# KiCad board Isolated Multi-Rail Power Supply Monitor Arduino Shield Board.kicad_pcb
date: 2026-04-11
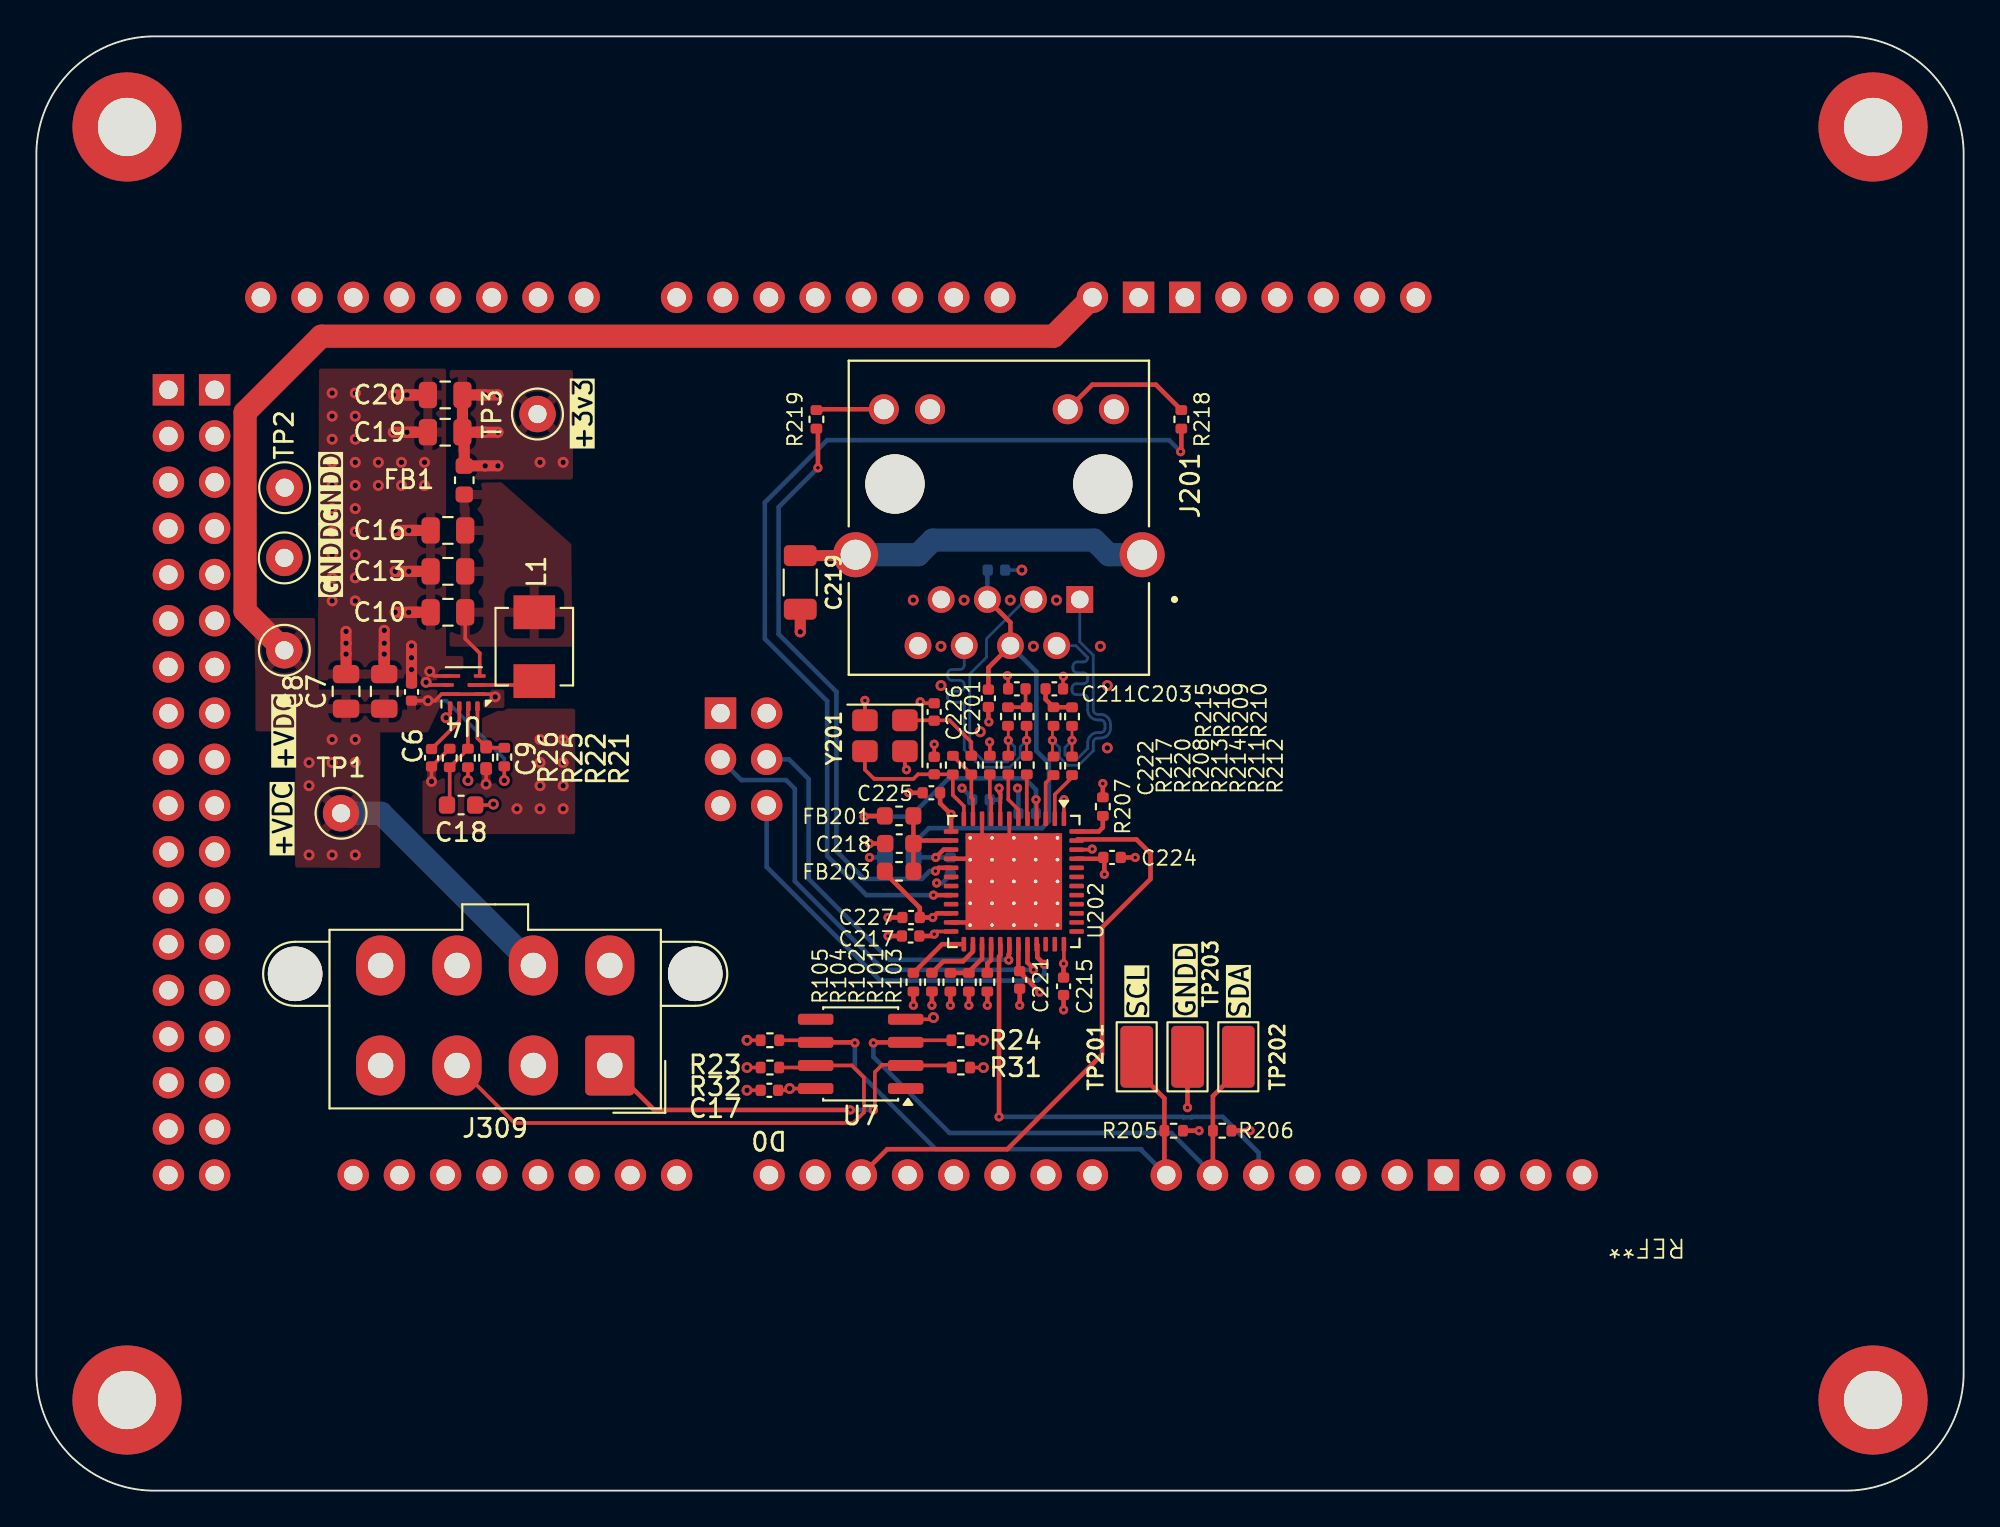
[diagram p0: board, top side]
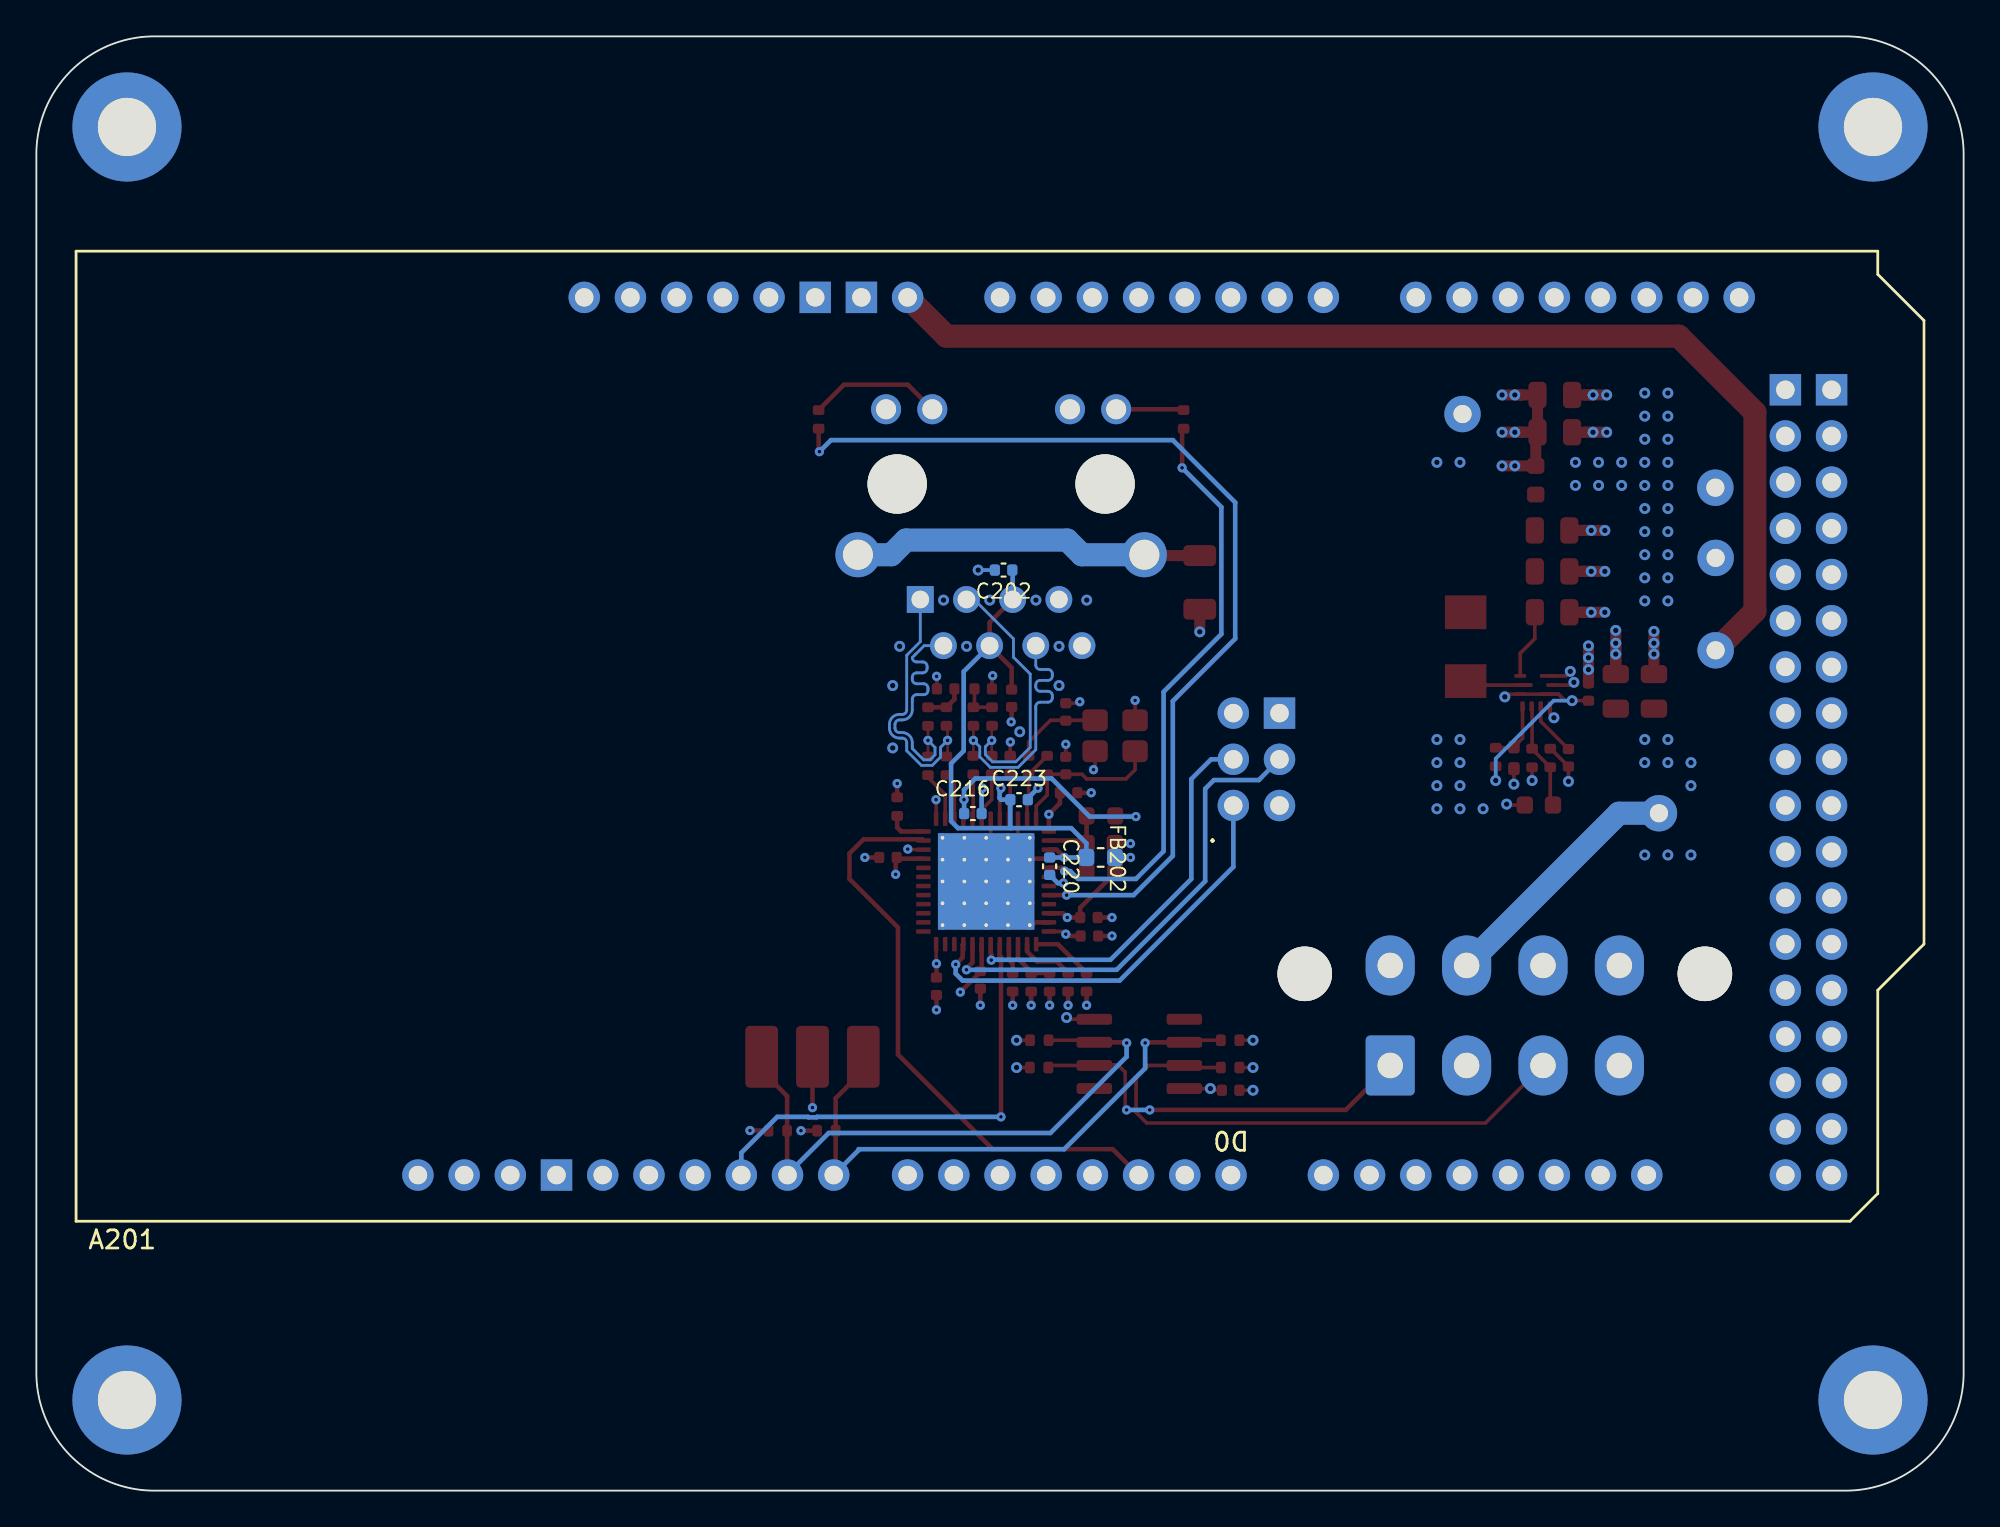
[diagram p1: board, bottom side, seen from below]

Outline 105.96 x 79.96 mm; copper layers: LY01, LY02 (plane), LY03 (plane), LY04. Coordinates in mm from the lower left corner of the outline.
Outline path: 1.9,1.9 6.48,0 99.48,0 104.06,1.9 105.96,6.48 105.96,73.46 104.06,78.07 99.48,79.96 99.48,79.96 6.48,79.96 1.9,78.07 0,73.48 0,6.48 closed
Stack: LY01 0.035mm / dielectric 0.1854mm FR4 er 4.56 / LY02 0.035mm / dielectric 1.03mm FR4 er 4.6 / LY03 0.035mm / dielectric 0.1854mm FR4 er 4.56 / LY04 0.035mm

## Placement (name value [footprint] x y rotation side)
A201  -  [Arduino_Giga_R1_WiFi_Shield]  103.78 68.15 180 top
C6  22n  [C_0402_1005Metric]  20.63 43.92 270 top  (not fitted)
C7  10u  [C_0805_2012Metric]  19.13 43.95 270 top  (not fitted)
C8  10u  [C_0805_2012Metric]  17.03 43.95 270 top  (not fitted)
C9  470n  [C_0402_1005Metric]  21.73 40.3 90 top  (not fitted)
C10  22u  [C_0805_2012Metric]  22.63 48.3 0 top  (not fitted)
C13  22u  [C_0805_2012Metric]  22.63 50.55 0 top  (not fitted)
C16  22u  [C_0805_2012Metric]  22.63 52.8 0 top  (not fitted)
C17  100n  [C_0402_1005Metric]  40.3 22.01 180 top
C18  ~  [C_0603_1608Metric]  23.35 37.7 0 top  (not fitted)
C19  22u  [C_0805_2012Metric]  22.48 58.2 0 top  (not fitted)
C20  22u  [C_0805_2012Metric]  22.48 60.25 0 top  (not fitted)
C201  100n  [C_0402_1005Metric]  52.34 43.57 270 top
C202  100n  [C_0402_1005Metric]  52.78 50.62 0 bottom
C203  100n  [C_0402_1005Metric]  55.97 44.09 0 top
C211  100n  [C_0402_1005Metric]  53.91 44.09 180 top
C215  100n  [C_0402_1005Metric]  56.48 27.73 270 top
C216  100n  [C_0402_1005Metric]  54.47 37.23 180 bottom
C217  100n  [C_0402_1005Metric]  48.07 30.5 180 top
C218  3u3  [C_0603_1608Metric]  47.45 35.58 180 top
C219  1n  [C_1206_3216Metric]  42 49.94 270 top
C220  100n  [C_0402_1005Metric]  50.25 34.34 270 bottom
C221  100n  [C_0402_1005Metric]  54.06 28.08 270 top
C222  18p  [C_0402_1005Metric]  49.36 39.87 270 top
C223  100n  [C_0402_1005Metric]  51.93 37.99 180 bottom
C224  100n  [C_0402_1005Metric]  59.14 34.82 0 top
C225  100n  [C_0402_1005Metric]  49.21 38.37 180 top
C226  18p  [C_0402_1005Metric]  49.36 42.82 270 top
C227  100n  [C_0402_1005Metric]  48.09 31.51 180 top
FB1  10n  [L_0603_1608Metric]  23.53 55.56 90 top  (not fitted)
FB201  120R  [L_0603_1608Metric]  47.43 37.1 0 top
FB202  120R  [L_0603_1608Metric]  47.45 34.82 0 bottom
FB203  120R  [L_0603_1608Metric]  47.43 34.05 180 top
J201  SI-46014-F  [BEL_SI-46014-F]  52.92 55.35 180 top
J309  0039289088  [Molex_Mini-Fit_Jr_5566-08A2_2x04_P4.20mm_Vertical]  31.53 23.38 180 top
L1  2u2  [74438356022]  27.38 46.4 90 top  (not fitted)
R21  0R  [R_0402_1005Metric]  25.73 40.34 90 top  (not fitted)
R22  ~  [R_0402_1005Metric_Pad0.72x0.64mm_HandSolder]  24.73 40.3 270 top  (not fitted)
R23  4k7  [R_0402_1005Metric]  40.33 24.76 180 top
R24  4k7  [R_0402_1005Metric]  50.82 24.76 0 top
R25  15k2  [R_0402_1005Metric]  23.73 40.29 90 top  (not fitted)
R26  4k87  [R_0402_1005Metric]  22.73 40.29 90 top  (not fitted)
R31  4k7  [R_0402_1005Metric]  50.83 23.26 0 top  (not fitted)
R32  4k7  [R_0402_1005Metric]  40.33 23.26 180 top  (not fitted)
R101  10k  [R_0402_1005Metric]  51.27 27.95 90 top
R102  10k  [R_0402_1005Metric]  50.25 27.96 270 top
R103  10k  [R_0402_1005Metric]  52.28 27.96 270 top
R104  10k  [R_0402_1005Metric]  49.24 27.96 270 top
R105  10k  [R_0402_1005Metric]  48.22 27.96 270 top
R205  4k7  [R_0402_1005Metric]  62.53 19.79 0 top
R206  4k7  [R_0402_1005Metric]  65.2 19.79 0 top
R207  4k7  [R_0402_1005Metric]  58.63 37.61 90 top
R208  12k3  [R_0402_1005Metric]  52.42 39.9 270 top
R209  49R9  [R_0402_1005Metric]  55.92 42.56 270 top
R210  49R9  [R_0402_1005Metric]  56.94 42.56 270 top
R211  3R3  [R_0402_1005Metric]  55.92 39.85 270 top
R212  3R3  [R_0402_1005Metric]  56.94 39.85 270 top
R213  3R3  [R_0402_1005Metric]  53.44 39.89 270 top
R214  3R3  [R_0402_1005Metric]  54.45 39.89 270 top
R215  49R9  [R_0402_1005Metric]  53.42 42.56 270 top
R216  49R9  [R_0402_1005Metric]  54.44 42.56 270 top
R217  1M  [R_0402_1005Metric]  50.39 39.89 90 top
R218  470R  [R_0402_1005Metric]  62.95 58.9 90 top
R219  470R  [R_0402_1005Metric]  42.89 58.9 90 top
R220  0R  [R_0402_1005Metric]  51.4 39.89 270 top
REF**  -  [GigaDisplay]  88.54 17.35 180 top  (not fitted)
TP1  TestPoint_Alt  [TestPoint_Keystone_5000-5004_Miniature]  16.75 37.25 0 top  (not fitted)
TP2  TestPoint_Alt  [TestPoint_Keystone_5000-5004_Miniature]  13.65 55.15 90 top  (not fitted)
TP3  TestPoint_Alt  [TestPoint_Keystone_5000-5004_Miniature]  27.55 59.2 90 top  (not fitted)
TP101  TestPoint_Alt  [TestPoint_Keystone_5000-5004_Miniature]  13.63 46.21 270 top
TP102  TestPoint_Alt  [TestPoint_Keystone_5000-5004_Miniature]  13.63 51.29 270 top
TP201  TestPoint_Alt  [TestPoint_Keystone_5015_Micro_Mini]  60.5 23.85 90 top
TP202  TestPoint_Alt  [TestPoint_Keystone_5015_Micro_Mini]  66.08 23.85 90 top
TP203  TestPoint_Alt  [TestPoint_Keystone_5015_Micro_Mini]  63.29 23.85 270 top
U4  TPS62912  [Texas_RPU0010A_VQFN-HR-10_2x2mm_P0.5mm]  23.5 44.05 180 top  (not fitted)
U7  P82715DR  [SOIC-8_3.9x4.9mm_P1.27mm]  45.32 24.01 180 top
U202  W6100-Q  [QFN-48-1EP_7x7mm_P0.5mm_EP5.3x5.3mm_ThermalVias]  53.74 33.49 270 top
Y201  25MHz  [Crystal_SMD_3225-4Pin_3.2x2.5mm]  46.65 41.51 180 top

## Library data of the parts
A201 = -: Datasheet: https://docs.arduino.cc/hardware/giga-r1-wifi; Description: Shield for Arduino Giga R1 WiFi
C6 = -: Description: Unpolarized capacitor, small symbol; DPN: 490-1305-6-ND; Distributor: Digikey; MPN: GRM155R71H222KA01D; Manufacturer: Murata Electronics; ki_fp_filters: C_*
C7 C8 = -: Description: Unpolarized capacitor, small symbol; DPN: 445-181600-6-ND; Distributor: Digikey; MPN: C2012X7S1E106K125AC; Manufacturer: TDK; ki_fp_filters: C_*
C9 = -: Description: Unpolarized capacitor, small symbol; DPN: 445-8020-6-ND; Distributor: Digikey; MPN: C1005X5R1E474K050BB; ki_fp_filters: C_*
C10 C13 C16 = -: Description: Unpolarized capacitor, small symbol; DPN: 4713-GMC21X7S226M10NTDKR-ND; Distributor: Digikey; MPN: GMC21X7S226M10NT; Manufacturer: Cal-Chip Electronics, Inc.; ki_fp_filters: C_*
C17 C201-C203 C211 C215-C217 C220 C221 C223-C225 C227 = -: Description: Unpolarized capacitor, small symbol; DPN: 490-10697-6-ND; Distributor: Digikey; MPN: GRM155R61H104KE14D; Manufacturer: Murata Electronics; ki_fp_filters: C_*
C18 = -: Description: Unpolarized capacitor, small symbol; ki_fp_filters: C_*
C19 C20 = -: Description: Unpolarized capacitor, small symbol; MPN: GMC21X7S226M10NT; DPN: 4713-GMC21X7S226M10NTDKR-ND; Distributor: Digikey; Manufacturer: Cal-Chip Electronics, Inc.; ki_fp_filters: C_*
C218 = -: Description: Unpolarized capacitor, small symbol; Distributor: Digikey; ki_fp_filters: C_*
C219 = -: Description: Unpolarized capacitor, small symbol; NOTE: 2kV; DPN: 478-2956-6-ND; Distributor: Digikey; MPN: 1206GC102KAT1A; Manufacturer: KYOCERA AVX; ki_fp_filters: C_*
C222 C226 = -: Description: Unpolarized capacitor, small symbol; DPN: 490-5858-6-ND; Distributor: Digikey; MPN: GRM1555C1H180JA01D; Manufacturer: Murata Electronics; ki_fp_filters: C_*
FB1 = -: Description: Ferrite bead, small symbol; DPN: 490-BLE18PS080SN1DDKR-ND; Distributor: Digikey; MPN: BLE18PS080SN1D; Manufacturer: Murata Electronics; ki_fp_filters: Inductor_* L_* *Ferrite*
FB201-FB203 = -: Datasheet: https://pim.murata.com/asset/pim4/ferriteBeadInductortypefilter/ENFA0003_PDF_FERRITEBEADINDUCTORTYPEFILTER?lastModifiedDatetime=20250707190934; Description: Ferrite bead, small symbol; MPN: BLM18SG121TN1D; DPN: 490-3996-6-ND; Distributor: Digikey; Manufacturer: Murata Electronics; ki_fp_filters: Inductor_* L_* *Ferrite*
J201 = -: Datasheet: https://www.belfuse.com/media/drawings/products/magjack%20ICMs/dr-mag-si-46014-f.pdf?_v=1776026125880&docType=DRW; Description: 1 Port RJ45 Magjack Connector Through Hole 10/100 Base-T, AutoMDIX; DPN: 5923-SI-46014-F-ND; Distributor: Digikey; Manufacturer: Bel Fuse Inc.; ki_fp_filters: RJ45*Amphenol*RJMG1BD3B8K1ANR*
J309 = -: Datasheet: https://www.molex.com/en-us/products/part-detail-pdf/430450402?display=pdf; Distributor: Digikey; DPN: WM3835-ND; Manufacturer: Molex; ki_fp_filters: CONN_SD-43045-001_04_MOL
L1 = -: DPN: 732-8232-6-ND; Distributor: Digikey; MPN: 74438356022; Manufacturer: Wurth Elektronik; ki_fp_filters: Choke_* *Coil* Inductor_* L_*
R21 R23-R26 R31 R32 R205-R207 = -: Description: Resistor, small US symbol; Distributor: Digikey; DPN: P4.70KLDKR-ND; MPN: ERJ-2RKF4701X; Manufacturer: Panasonic Industry; ki_fp_filters: R_*
R22 = -: Description: Resistor, small US symbol; ki_fp_filters: R_*
R101-R105 = -: Description: Resistor, small US symbol; Distributor: Digikey; ki_fp_filters: R_*
R208 = -: Description: Resistor, small US symbol; Tolerance: 0.1%; DPN: 2019-RN73R1ETTP1232B25DKR-ND; MPN: RN73R1ETTP1232B25; Distributor: Digikey; Manufacturer: KOA Speer Electronics, Inc.; ki_fp_filters: R_*
R209 R210 R215 R216 = -: Description: Resistor, small US symbol; Distributor: Digikey; DPN: 541-49.9LDKR-ND; MPN: CRCW040249R9FKED; Manufacturer: Vishay Dale; ki_fp_filters: R_*
R211-R214 = -: Description: Resistor, small US symbol; DPN: 541-3.30LLDKR-ND; Distributor: Digikey; MPN: CRCW04023R30FKED; Manufacturer: Vishay Dale; Tolerance: 1%; ki_fp_filters: R_*
R217 = -: Description: Resistor, small US symbol; Distributor: Digikey; DPN: 541-1.00MLDKR-ND; MPN: CRCW04021M00FKED; Manufacturer: Vishay Dale; ki_fp_filters: R_*
R218 R219 = -: Description: Resistor, small US symbol; Distributor: Digikey; DPN: P470LDKR-ND; MPN: ERJ-2RKF4700X; Manufacturer: Panasonic Industry; ki_fp_filters: R_*
R220 = -: Description: Resistor, small US symbol; Distributor: Digikey; DPN: 541-0.0JDKR-ND; MPN: CRCW04020000Z0ED; Manufacturer: Vishay Dale; ki_fp_filters: R_*
TP1-TP3 TP101 TP102 TP201-TP203 = -: Description: test point (alternative shape); ki_fp_filters: Pin* Test*
U4 = -: Datasheet: https://www.ti.com/lit/ds/symlink/tps62912.pdf; Description: 2.2MHz or 1MHz, 2A, Low Noise, Low Ripple, Buck Converter with Integrated Ferrite Bead Filter Compensation, VQFN-HR; ki_fp_filters: *Texas*RPU0010A*
U7 = -: Datasheet: https://www.ti.com/general/docs/suppproductinfo.tsp?distId=10&gotoUrl=https%3A%2F%2Fwww.ti.com%2Flit%2Fgpn%2Fp82b715; DPN: 296-24729-6-ND; MPN: P82B715DR; DISTRIBUTOR: Digikey
U202 = -: Datasheet: https://docs.wiznet.io/img/products/w6100/w6100_ds_v105e.pdf; Description: 10/100Mb Ethernet controller with TCP/IP stack, IPv4/IPv6, QFN-48; Manufacturer: WIZnet; Distributor: Mouser; DPN: 950-W6100Q; MPN: W6100Q; ki_fp_filters: *QFN*7x7mm*P0.5mm*EP5.3x5.3mm*
Y201 = -: Datasheet: https://www.diodes.com/assets/Datasheets/FL.pdf; Description: Four pin crystal, GND on pins 2 and 4; DPN: 31-FL2500169DKR-ND; MPN: FL2500169; Distributor: Digikey; Manufacturer: Diodes Incorporated; ki_fp_filters: Crystal*

## Footprints (pads in the part's own frame, mm; a bottom-side part is the same pattern mirrored in y, then rotated)
74438356022
  rect 1.855x2.286 smd: 1(-1.892,0) 2(1.892,0)
Arduino_Giga_R1_WiFi_Shield
  oval 1.727x1.727 hole 1.016: (27.94,2.54) 3V3(35.56,2.54) 5V1(38.1,2.54) 5V2(66.167,30.48) 5V3(93.98,50.8) 5V4(96.52,50.8) A0(50.8,2.54) A1(53.34,2.54) A2(55.88,2.54) A3(58.42,2.54) A4(60.96,2.54) A5(63.5,2.54) A6(66.04,2.54) A7(68.58,2.54) A8(73.66,2.54) A9(76.2,2.54) A10(78.74,2.54) A11(81.28,2.54) AREF(23.876,50.8) CANR(88.9,2.54) CANT(91.44,2.54) D0(63.5,50.8) D1(60.96,50.8) D2(58.42,50.8) D3(55.88,50.8) D4(53.34,50.8) D5(50.8,50.8) D6(48.26,50.8) D7(45.72,50.8) D8(41.656,50.8) D9(39.116,50.8) D10(36.576,50.8) D11(34.036,50.8) D12(31.496,50.8) D13(28.956,50.8) D14(68.58,50.8) D15(71.12,50.8) D16(73.66,50.8) D17(76.2,50.8) D18(78.74,50.8) D19(81.28,50.8) D20(83.82,50.8) D21(86.36,50.8) D22(93.98,48.26) D23(96.52,48.26) D24(93.98,45.72) D25(96.52,45.72) D26(93.98,43.18) D27(96.52,43.18) D28(93.98,40.64) D29(96.52,40.64) D30(93.98,38.1) D31(96.52,38.1) D32(93.98,35.56) D33(96.52,35.56) D34(93.98,33.02) D35(96.52,33.02) D36(93.98,30.48) D37(96.52,30.48) D38(93.98,27.94) D39(96.52,27.94) D40(93.98,25.4) D41(96.52,25.4) D42(93.98,22.86) D43(96.52,22.86) D44(93.98,20.32) D45(96.52,20.32) D46(93.98,17.78) D47(96.52,17.78) D48(93.98,15.24) D49(96.52,15.24) D50(93.98,12.7) D51(96.52,12.7) D52(93.98,10.16) D53(96.52,10.16) DAC0(83.82,2.54) DAC1(86.36,2.54) IORF(30.48,2.54) MISO(63.627,30.48) MOSI(66.167,27.94) RST1(33.02,2.54) RST2(63.627,25.4) SCK(63.627,27.94) SCL1(18.796,50.8) SDA1(21.336,50.8) VIN(45.72,2.54)
  rect 1.727x1.727 hole 1.016: GND1(26.416,50.8) GND2(40.64,2.54) GND3(43.18,2.54) GND4(66.167,25.4) GND5(93.98,7.62) GND6(96.52,7.62)
BEL_SI-46014-F
  round 3.26 hole 3.26 unplated: (-5.715,0) (5.715,0)
  round 1.65 hole 1.1: L1(-6.325,-4.11) L2(-3.785,-4.11) L3(6.325,-4.11) L4(3.785,-4.11)
  rect 1.478x1.478 hole 0.97: R1(-4.445,6.35)
  round 1.478 hole 0.97: R2(-3.175,8.89) R3(-1.905,6.35) R4(-0.635,8.89) R5(0.635,6.35) R6(1.905,8.89) R7(3.175,6.35) R8(4.445,8.89)
  round 2.475 hole 1.65: SH(-7.875,3.89) SH(7.875,3.89)
C_0402_1005Metric
  rrect 0.56x0.62 smd: 1(-0.48,0) 2(0.48,0)
C_0603_1608Metric
  rrect 0.9x0.95 smd: 1(-0.775,0) 2(0.775,0)
C_0805_2012Metric
  rrect 1x1.45 smd: 1(-0.95,0) 2(0.95,0)
C_1206_3216Metric
  rrect 1.15x1.8 smd: 1(-1.475,0) 2(1.475,0)
Crystal_SMD_3225-4Pin_3.2x2.5mm
  rrect 1.4x1.2 smd: 1(-1.1,-0.85) 2(1.1,-0.85) 3(1.1,0.85) 4(-1.1,0.85)
GigaDisplay
  round 6 hole 3.2 unplated: (-12.441,12.369) (-12.441,-57.631) (83.559,12.369) (83.559,-57.631)
L_0603_1608Metric
  rrect 0.875x0.95 smd: 1(-0.787,0) 2(0.787,0)
Molex_Mini-Fit_Jr_5566-08A2_2x04_P4.20mm_Vertical
  round 3 hole 3 unplated: (-4.7,-5.04) (17.3,-5.04)
  rrect 2.7x3.3 hole 1.4: 1(0,0)
  oval 2.7x3.3 hole 1.4: 2(4.2,0) 3(8.4,0) 4(12.6,0) 5(0,-5.5) 6(4.2,-5.5) 7(8.4,-5.5) 8(12.6,-5.5)
QFN-48-1EP_7x7mm_P0.5mm_EP5.3x5.3mm_ThermalVias
  rrect 1.03x1.03 smd: (-1.98,1.98) (-1.98,0.66) (-1.98,-0.66) (-1.98,-1.98) (-0.66,1.98) (-0.66,0.66) (-0.66,-0.66) (-0.66,-1.98) (0.66,1.98) (0.66,0.66) (0.66,-0.66) (0.66,-1.98) (1.98,1.98) (1.98,0.66) (1.98,-0.66) (1.98,-1.98)
  rrect 0.8x0.25 smd: 1(-3.45,2.75) 2(-3.45,2.25) 3(-3.45,1.75) 4(-3.45,1.25) 5(-3.45,0.75) 6(-3.45,0.25) 7(-3.45,-0.25) 8(-3.45,-0.75) 9(-3.45,-1.25) 10(-3.45,-1.75) 11(-3.45,-2.25) 12(-3.45,-2.75) 25(3.45,-2.75) 26(3.45,-2.25) 27(3.45,-1.75) 28(3.45,-1.25) 29(3.45,-0.75) 30(3.45,-0.25) 31(3.45,0.25) 32(3.45,0.75) 33(3.45,1.25) 34(3.45,1.75) 35(3.45,2.25) 36(3.45,2.75)
  rrect 0.25x0.8 smd: 13(-2.75,-3.45) 14(-2.25,-3.45) 15(-1.75,-3.45) 16(-1.25,-3.45) 17(-0.75,-3.45) 18(-0.25,-3.45) 19(0.25,-3.45) 20(0.75,-3.45) 21(1.25,-3.45) 22(1.75,-3.45) 23(2.25,-3.45) 24(2.75,-3.45) 37(2.75,3.45) 38(2.25,3.45) 39(1.75,3.45) 40(1.25,3.45) 41(0.75,3.45) 42(0.25,3.45) 43(-0.25,3.45) 44(-0.75,3.45) 45(-1.25,3.45) 46(-1.75,3.45) 47(-2.25,3.45) 48(-2.75,3.45)
  round 0.5 hole 0.2: 49(-2.4,2.4) 49(-2.4,1.2) 49(-2.4,0) 49(-2.4,-1.2) 49(-2.4,-2.4) 49(-1.2,2.4) 49(-1.2,1.2) 49(-1.2,0) 49(-1.2,-1.2) 49(-1.2,-2.4) 49(0,2.4) 49(0,1.2) 49(0,0) 49(0,-1.2) 49(0,-2.4) 49(1.2,2.4) 49(1.2,1.2) 49(1.2,0) 49(1.2,-1.2) 49(1.2,-2.4) 49(2.4,2.4) 49(2.4,1.2) 49(2.4,0) 49(2.4,-1.2) 49(2.4,-2.4)
  rect 5.3x5.3 smd: 49(0,0)
  rect 5.3x5.3 smd far side: 49(0,0)
R_0402_1005Metric
  rrect 0.54x0.64 smd: 1(-0.51,0) 2(0.51,0)
R_0402_1005Metric_Pad0.72x0.64mm_HandSolder
  rrect 0.715x0.64 smd: 1(-0.598,0) 2(0.598,0)
SOIC-8_3.9x4.9mm_P1.27mm
  rrect 1.95x0.6 smd: 1(-2.475,1.905) 2(-2.475,0.635) 3(-2.475,-0.635) 4(-2.475,-1.905) 5(2.475,-1.905) 6(2.475,-0.635) 7(2.475,0.635) 8(2.475,1.905)
TestPoint_Keystone_5000-5004_Miniature
  round 2 hole 1: 1(0,0)
TestPoint_Keystone_5015_Micro_Mini
  rrect 3.4x1.8 smd: 1(0,0)
Texas_RPU0010A_VQFN-HR-10_2x2mm_P0.5mm
  rrect 0.65x0.2 smd: 1(-0.875,0.25) 3(-0.875,-0.75) 5(0.875,-0.25)
  rrect 1x0.2 smd: 2(-0.7,-0.25) 4(0.7,-0.75) 6(0.7,0.25)
  rrect 0.25x0.55 smd: 7(0.75,0.925) 8(0.25,0.925) 9(-0.25,0.925) 10(-0.75,0.925)

## Nets
+1V2A: C216.1 FB201.1 U202.4
+1V2D: C221.1 C224.1 C225.1 C227.1 FB203.2 U202.13 U202.22 U202.31 U202.45
+1V2O: C218.1 FB201.2 FB203.1 U202.14
+3V3: C17.1 C18.2 C19.2 C20.2 C215.1 C217.1 FB1.2 FB202.1 J201.L1 J201.L4 J309.8 R23.2 R24.2 R25.1 R31.2 R32.2 R101.1 R205.2 R206.2 R207.2 TP3.1 U7.8 U202.24 U202.36
+3V3A: C201.1 C202.1 C220.1 C223.1 FB202.2 J201.R4 J201.R5 U202.8 U202.15
GNDD: A201.GND1 A201.GND2 A201.GND3 A201.GND4 A201.GND5 A201.GND6 C6.1 C7.1 C8.1 C9.1 C10.1 C13.1 C16.1 C17.2 C19.1 C20.1 C201.2 C202.2 C203.2 C211.2 C215.2 C216.2 C217.2 C218.2 C219.2 C220.2 C221.2 C222.1 C223.2 C224.2 C225.2 C226.1 C227.2 J201.R8 J309.2 J309.4 J309.5 J309.7 R22.2 R26.2 R102.2 R103.2 R104.2 R105.2 R208.1 TP2.1 TP102.1 TP203.1 U4.4 U4.5 U4.7 U7.4 U202.1 U202.7 U202.10 U202.16 U202.23 U202.46 U202.49 Y201.2 Y201.4
GNDPWR: C219.1 J201.SH
+VDC: A201.VIN C6.2 C7.2 C8.2 J309.6 R21.1 TP1.1 TP101.1 U4.1 U4.6
/ET_RX/N: J201.R6 R214.1 R216.2
/ET_RX/P: J201.R3 R213.1 R215.2
/ET_TX/N: J201.R2 R210.2 R212.1
/ET_TX/P: J201.R1 R209.2 R211.1
/ET_XSCI: C222.2 R217.1 U202.12 Y201.3
/ET_XSCO: R217.2 R220.2 U202.11
/I2C_SCL: A201.D8 R23.1 R205.1 TP201.1 U7.6
/I2C_SCL_OB: J309.3 R32.1 U7.7
/I2C_SDA: A201.D9 R24.1 R206.1 TP202.1 U7.3
/I2C_SDA_OB: J309.1 R31.1 U7.2
/RXI/N: R214.2 U202.5
/RXI/P: R213.2 U202.6
/SPI0_MISO: A201.MISO U202.33
/SPI0_MOSI: A201.MOSI U202.32
/SPI0_SCK: A201.SCK U202.30
/TXO/N: R212.2 U202.2
/TXO/P: R211.2 U202.3
/~{ACT}: R218.1 U202.20
/~{ETH_INT}: A201.D2 U202.47
/~{ETH_RST}: R207.1 U202.48
/~{LNK}: R219.1 U202.17
/~{RST}: A201.RST1
/~{SPI0_CS}: A201.D10 U202.29
Net-(C203-Pad1): C203.1 R209.1 R210.1
Net-(C211-Pad1): C211.1 R215.1 R216.1
Net-(C226-Pad2): C226.2 R220.1 Y201.1
Net-(J201-PadL2): J201.L2 R218.2
Net-(J201-PadL3): J201.L3 R219.2
Net-(U4-FB): C18.1 R25.2 R26.1 U4.9
Net-(U4-NR/SS): C9.2 U4.8
Net-(U4-S-CONF): R21.2 R22.1 U4.10
Net-(U4-SW): L1.1 U4.2
Net-(U4-VO): C10.2 C13.2 C16.2 FB1.1 L1.2 U4.3
Net-(U202-MOD[0]): R105.1 U202.25
Net-(U202-MOD[1]): R104.1 U202.26
Net-(U202-MOD[2]): R101.2 R102.1 U202.27
Net-(U202-MOD[3]): R103.1 U202.28
Net-(U202-RSET_BG): R208.2 U202.9

Pads without a net: A201 3V3 5V1 5V2 5V3 5V4 A0 A1 A2 A3 A4 A5 A6 A7 A8 A9 A10 A11 AREF CANR CANT D0 D1 D3 D4 D5 D6 D7 D11 D12 D13 D14 D15 D16 D17 D18 D19 D20 D21 D22 D23 D24 D25 D26 D27 D28 D29 D30 D31 D32 D33 D34 D35 D36 D37 D38 D39 D40 D41 D42 D43 D44 D45 D46 D47 D48 D49 D50 D51 D52 D53 DAC0 DAC1 IORF RST2 SCL1 SDA1; J201 R7; U7 1 5; U202 18 19 21 34 35 37 38 39 40 41 42 43 44

## Via types
v1: diameter 0.6, hole 0.3, LY01 to LY04, 101 vias
v2: diameter 0.508, hole 0.203, LY01 to LY04, 56 vias

## Routing (per net, layer and track width the routed paths; a pad name or vN(x,y) marks a point on that pad's centre or on a via; arc(x,y) is an arc through that point)
+1V2A: length 14.1
  LY01 w0.2: v2(54.96,37.99) 54.99,37.96 U202.4
  LY01 w0.25: FB201.1 45.55,37.1 v2(45.51,37.06)
  LY04 w0.25: v2(45.51,37.06) 48.05,37.06 50.15,39.16 54.34,39.16 54.96,38.53 v2(54.96,37.99) 54.95,37.98 C216.1
+1V2D: length 33.6
  LY01 w0.25: v2(58.72,33.89) 58.72,34.76 C224.1 ; U202.22 49.51,31.74 v2(49.28,31.51) C227.1 48.57,32.05 46.65,33.98 ; U202.31 53.99,28.66 ; C225.1 49.69,37.79 v2(50.29,37.19) U202.13 ; C221.1 54.06,28.51 v2(55.16,27.41) ; U202.45 58.59,34.74
  LY03 w0.25: 54.36,31.77 56.85,31.77 58.72,33.63 v2(58.72,33.89) ; 54.36,31.77 54.4,31.73 54.4,30.33 54.27,30.2 54.27,28.3 v2(55.16,27.41) ; 54.36,31.77 50.34,31.77 ; v2(49.28,31.51) 49.32,31.47 50.04,31.47 50.34,31.77 ; 50.34,31.77 50.29,31.81 v2(50.29,37.19)
+1V2O: length 5
  LY01 w0.25: U202.14 48.39,35.74 ; FB201.2 C218.1 FB203.1
+3V3: length 25
  LY01 w0.2: U202.24 49.51,30.74 v2(49.36,30.6) ; R32.2 v1(39.07,23.26) ; v1(41.42,22.11) U7.8 ; v1(25.13,37.75) 25.08,37.7 C18.2 ; U202.36 56.49,28.99 v2(56.48,28.97) ; R31.2 v1(52.07,23.26) ; C17.1 41.32,22.01 ; R25.1 v1(23.73,39.05) ; R24.2 v1(52.07,24.76) ; R23.2 v1(39.07,24.76)
  LY01 w0.25: v2(63.93,19.79) R205.2 ; v2(66.73,19.8) 65.72,19.8 ; v2(49.36,30.6) 49.26,30.5 C217.1 ; C215.1 v2(56.48,28.97) ; R101.1 v2(51.27,26.69) ; R207.2 v2(58.63,38.88)
  LY01 w0.61: 24.33,60.25 v1(24.68,60.25) ; 24.33,60.25 C20.2 C19.2 24.23,58.2 ; 24.33,60.25 v1(25.38,60.25) ; 24.23,58.2 v1(25.38,58.2) ; 24.23,58.2 v1(24.68,58.2) ; v1(25.38,56.35) v1(24.68,56.35) FB1.2 23.53,58.1
  LY04 w0.25: FB202.1 v2(45.81,34.82)
  vias: v1(27.69,56.54) v1(28.96,56.54)
+3V3A: length 34.4
  LY01 w0.2: U202.8 52.99,37.8 53,37.81 53,38.31 52.93,38.38 v2(52.93,38.63)
  LY01 w0.25: U202.15 49.88,35.24 v2(49.45,34.82) ; C201.1 52.34,45.25 J201.R4 53.55,47.73 J201.R5
  LY04 w0.25: C220.1 FB202.2 48.23,35.59 49.07,36.43 52.37,36.43 ; J201.R4 54.98,45.04 54.98,40.68 55.67,39.98 55.67,36.81 55.29,36.43 52.37,36.43 ; 52.37,36.43 52.41,36.47 C223.1 52.92,37.99 53,38.08 53,38.55 v2(52.93,38.63) ; 52.28,50.65 J201.R5
GNDD: length 62
  LY01 w0.2: v2(49.36,41.04) C222.1 ; U202.1 56.49,37.99 v2(56.5,37.99) ; U4.4 21.88,44.8 v1(21.63,45.05) ; v2(53.38,44.81) 53.43,44.77 C211.2 ; C203.2 56.45,44.75 v2(56.47,44.77) ; U202.10 51.99,35.24 ; 45.55,42.36 v2(45.55,43.45) ; R22.2 v1(24.73,38.85) ; U202.46 58.02,35.24 v2(58.05,35.28) ; v1(21.73,39) C9.1 22.71,40.8 ; C226.1 48.67,43.3 v2(48.59,43.38) ; U202.7 53.49,33.74 ; v2(52.41,41.17) 52.42,41.16 R208.1 ; C17.2 v1(39.07,22.01) ; v2(47.84,39.64) 47.75,39.73 Y201.4 ; U4.7 22.75,42.72 v1(22.53,42.5) ; v1(21.43,44.45) 21.58,44.3 U4.5 ; U7.4 49.23,25.92 v1(49.32,26.01)
  LY01 w0.25: v2(45.81,35.58) C218.2 ; 49.24,27.45 v2(49.24,26.69) ; U202.49 51.19,31.24 U202.23 ; v2(46.82,31.51) C227.2 ; C201.2 52.34,42.3 v2(52.37,42.27) ; U202.16 51.29,34.74 ; R102.2 v2(50.25,26.69) ; C225.2 v2(47.97,38.37) ; R103.2 v2(52.28,26.69) ; TP203.1 v2(63.29,21.06) ; C215.2 v2(56.48,26.43) ; C221.2 v2(54.06,26.69) ; C217.2 v2(46.82,30.5) ; C224.2 v2(60.41,34.82) ; R105.2 v2(48.22,26.69)
  LY01 w0.61: 19.13,45.6 v1(19.13,46) ; 19.13,45.6 v1(19.13,46.6) ; 19.13,45.6 C7.1 v1(19.13,47.3) ; C10.1 20.98,48.3 ; 20.98,48.3 v1(19.73,48.3) ; 20.98,48.3 v1(20.48,48.3) ; C8.1 v1(17.03,46) v1(17.03,46.6) v1(17.03,47.25) ; 20.98,52.8 v1(20.48,52.8) ; 20.98,52.8 C16.1 ; 20.98,52.8 v1(19.73,52.8) ; C219.2 v1(42,47.22) ; C6.1 v1(20.63,45.15) v1(20.63,45.8) v1(20.63,46.45) ; C13.1 20.98,50.55 ; 20.98,50.55 v1(20.48,50.55) ; 20.98,50.55 v1(19.73,50.55) ; C19.1 20.83,58.2 ; 20.83,58.2 v1(19.63,58.2) ; 20.83,58.2 v1(20.38,58.2) ; 20.83,60.25 v1(19.63,60.25) ; 20.83,60.25 v1(20.38,60.25) ; 20.83,60.25 C20.1
  LY04 w0.2: C202.2 v1(54.18,50.62)
  LY04 w0.25: v2(49.5,33.41) 49.52,33.41 49.53,33.4 49.8,33.4 C220.2 ; 51.45,38.07 v2(50.9,38.63) ; v2(53.95,38.63) 53.99,38.58 53.99,37.23
  vias: v1(16.26,60.35) v1(16.26,59.08) v1(16.26,57.81) v1(16.26,56.54) v1(16.26,55.27) v1(16.26,54) v1(16.26,52.73) v1(16.26,51.46) v1(16.26,50.19) v1(16.26,48.92) v1(17.53,60.35) v1(17.53,59.08) v1(17.53,57.81) v1(17.53,56.54) v1(17.53,55.27) v1(17.53,54) v1(17.53,52.73) v1(17.53,51.46) v1(17.53,50.19) v1(17.53,48.92) v1(18.8,56.54) v1(18.8,55.27) v1(20.07,56.54) v1(20.07,55.27) v1(21.34,56.54) v1(21.34,55.27) v1(26.42,37.49) v1(27.69,41.3) v1(27.69,40.03) v1(27.69,38.76) v1(27.69,37.49) v1(28.96,41.3) v1(28.96,40.03) v1(28.96,38.76) v1(28.96,37.49) v1(48.21,48.97) v1(49.74,46.43) v1(49.74,44.27) v1(51.01,48.97) v1(51.9,41.73) v1(53.55,48.97) v1(54.82,46.43) v1(56.09,48.97) v1(58.5,46.43) v1(58.88,44.27) v1(58.88,40.84)
GNDPWR: length 19.4
  LY01 w0.61: 42,51.41 45,51.41
  LY04 w1.27: J201.SH 48.48,51.46 49.29,52.27 58.15,52.27 58.96,51.46 J201.SH
+VDC: length 89.5
  LY01 w0.2: v1(25.22,43.65) 25.07,43.8 U4.1 U4.6 22.28,43.8 21.92,43.44 C6.2 ; v1(25.73,39.05) R21.1
  LY01 w1.27: A201.VIN 55.93,63.48 15.67,63.48 11.47,59.29 11.47,48.37 TP101.1
  LY04 w0.2: v1(25.73,39.05) 25.73,40.25 22.54,43.44 v1(21.53,43.44)
  LY04 w1.27: TP1.1 18.96,37.25 J309.6
  vias: v1(14.99,40.03) v1(14.99,38.76) v1(14.99,34.95) v1(16.26,41.3) v1(16.26,40.03) v1(16.26,34.95) v1(17.53,41.3) v1(17.53,40.03) v1(17.53,34.95)
/ET_RX/N: length 14.9
  LY01 w0.152: R216.2 v2(54.44,41.25) 54.44,40.41
  LY04 w0.152: J201.R6 51.01,45.39 arc(50.94,45.22) 50.77,45.15 50.34,45.15 arc(50.18,45.08) 50.1,44.91 50.1,44.79 arc(50.18,44.62) 50.34,44.55 50.77,44.55 arc(50.94,44.48) 51.01,44.31 51.01,44.19 arc(50.94,44.02) 50.77,43.95 50.34,43.95 arc(50.18,43.88) 50.1,43.71 50.1,43.59 arc(50.18,43.42) 50.34,43.35 50.77,43.35 arc(50.94,43.28) 51.01,43.11 51.01,40.74 51.98,39.77 53.51,39.77 54.09,40.35 54.09,40.9 v2(54.44,41.25)
/ET_RX/P: length 14.9
  LY01 w0.152: R213.1 v2(53.44,41.25) 53.44,42.04
  LY04 w0.152: 54.4,49 52.24,46.84 52.24,45.83 51.32,44.9 51.32,40.87 52.11,40.08 53.39,40.08 53.79,40.48 53.79,40.9 v2(53.44,41.25)
/ET_TX/N: length 15
  LY01 w0.152: R210.2 R212.1
  LY04 w0.152: J201.R2 57.15,46.46 57.8,45.81 arc(57.73,45.64) 57.56,45.57 57.23,45.57 arc(57.06,45.5) 56.99,45.33 56.99,45.21 arc(57.06,45.04) 57.23,44.97 57.56,44.97 arc(57.73,44.9) 57.8,44.73 57.8,44.61 arc(57.73,44.44) 57.56,44.37 57.18,44.37 arc(57.01,44.3) 56.94,44.13 56.94,44.01 arc(57.01,43.84) 57.18,43.77 57.56,43.77 arc(57.73,43.7) 57.8,43.53 57.8,42.93 arc(57.97,42.54) 58.36,42.38 58.51,42.38 arc(58.68,42.3) 58.76,42.13 58.76,41.93 arc(58.68,41.75) 58.51,41.68 58.36,41.68 arc(57.97,41.52) 57.8,41.13 57.8,40.81 57.18,40.19 56.83,40.19 56.55,40.46 56.55,40.87 v2(56.94,41.25)
/ET_TX/P: length 14.9
  LY01 w0.152: 55.86,41.99 55.86,40.43
  LY04 w0.152: v2(55.86,41.25) 56.25,40.87 56.25,40.33 56.7,39.88 57.31,39.88 58.11,40.68 58.11,41.13 arc(58.18,41.3) 58.36,41.38 58.51,41.38 arc(58.9,41.54) 59.06,41.93 59.06,42.13 arc(58.9,42.52) 58.51,42.68 58.36,42.68 arc(58.18,42.75) 58.11,42.93 58.11,45.93 57.36,46.68 J201.R1
/ET_XSCI: length 8.9
  LY01 w0.2: R217.1 50.39,38.25 50.99,37.64 U202.12 ; 50.39,39.39 C222.2 48.47,39.39 48.22,39.13 46.06,39.13 45.55,39.64 Y201.3
/ET_XSCO: length 3.9
  LY01 w0.2: U202.11 51.49,38.02 51.4,38.12 51.4,38.13 R220.2 50.39,40.4
/I2C_SCL: length 31.1
  LY01 w0.2: R23.1 42.73,24.76
  LY01 w0.25: 62.02,17.46 R205.1 62.02,21.57 60.62,22.97 ; v2(45,24.62) 44.97,24.65 U7.6
  LY04 w0.25: A201.D8 60.75,18.73 60.75,18.77 49.45,18.77 45,23.22 v2(45,24.62)
/I2C_SCL_OB: length 30.7
  LY01 w0.2: J309.3 26.29,20.21 44.92,20.21 45.5,20.8 45.5,22.71 44.84,23.38 U7.7 ; R32.1 42.73,23.26
/I2C_SDA: length 32.6
  LY01 w0.2: R24.1 47.91,24.76
  LY01 w0.25: U7.3 46.05,24.65 v2(46.02,24.62) ; 64.69,17.37 64.69,21.7 66.08,23.09
  LY04 w0.25: v2(46.02,24.62) 46.02,23.85 50.21,19.66 62.4,19.66 64.66,17.4
/I2C_SDA_OB: length 21.9
  LY01 w0.2: U7.2 50.21,23.38 ; 47.76,23.41 46.5,23.41 46.1,23.01 46.1,21.01 v2(46.02,20.93)
  LY01 w0.25: v2(44.75,20.93) 33.97,20.93 J309.1
  LY04 w0.25: v2(46.02,20.93) v2(44.75,20.93)
/RXI/N: length 2.5
  LY01 w0.2: R214.2 54.45,36.98 U202.5
/RXI/P: length 2.7
  LY01 w0.2: R213.2 53.44,38 53.99,37.44 U202.6
/SPI0_MISO: length 23.2
  LY01 w0.25: U202.33 55.04,30 55.04,29.32 v2(55.42,28.93)
  LY04 w0.25: A201.MISO 40.15,34.29 46.4,28.05 55.04,28.05 55.42,28.43 v2(55.42,28.93)
/SPI0_MOSI: length 26.5
  LY01 w0.25: v2(54.83,28.64) 54.83,28.71 54.49,29.04 U202.32
  LY04 w0.25: v2(54.83,28.64) 46.57,28.64 41.7,33.51 41.7,38.59 41.22,39.07 38.76,39.07 A201.MOSI
/SPI0_SCK: length 22
  LY01 w0.25: U202.30 53.49,29.53 53.46,29.5 v2(53.46,29.17)
  LY04 w0.25: A201.SCK 41.37,40.21 42.46,39.12 42.46,33.63 46.91,29.19 53.11,29.19 53.11,29.19 53.44,29.19 v2(53.46,29.17)
/TXO/N: length 2.7
  LY01 w0.2: U202.2 55.99,38.27 56.94,39.22
/TXO/P: length 2.6
  LY01 w0.2: R211.2 55.49,38.91 U202.3
/~{ACT}: length 54.4
  LY01 w0.25: U202.20 v2(49.32,32.74) ; v2(62.91,57.13) 62.95,57.17 R218.1
  LY04 w0.25: v2(49.32,32.74) 45.64,32.74 43.48,34.9 43.48,43.41 40.05,46.84 40.05,54.33 43.48,57.76 62.27,57.76 v2(62.91,57.13)
/~{ETH_INT}: length 32.5
  LY01 w0.25: A201.D2 46.78,18.77 53.38,18.77 58.59,23.98 58.59,30.97 61.26,33.63 61.26,35.03 60.48,35.81 57.26,35.81 U202.47
/~{ETH_RST}: length 2.2
  LY01 w0.25: 58.63,37.1 58.63,36.47 58.41,36.24 U202.48
/~{LNK}: length 32.6
  LY01 w0.25: U202.17 49.61,34.24 v2(49.43,34.07) ; v2(42.97,56.24) 42.97,58.31
  LY04 w0.25: v2(49.43,34.07) 49.12,34.07 48.69,33.63 45.51,33.63 43.99,35.16 43.99,43.92 40.81,47.1 40.81,54.08 v2(42.97,56.24)
/~{SPI0_CS}: length 25.9
  LY01 w0.25: U202.29 53,30.03 53,29.44 52.93,29.37 v2(52.93,20.55)
  LY04 w0.25: A201.D10 67.2,18.57 65.22,20.55 63.54,20.55 63.51,20.53 63.07,20.53 63.05,20.55 v2(52.93,20.55)
Net-(C203-Pad1): length 2.2
  LY01 w0.25: 56.94,43.07 R209.1 55.49,43.51 C203.1
Net-(C211-Pad1): length 2
  LY01 w0.2: C211.1 54.39,43.13 ; R216.1 R215.1
Net-(C226-Pad2): length 4.9
  LY01 w0.2: 47.75,42.36 50.2,42.36 51.4,41.16 R220.1
Net-(J201-PadL2): length 7.4
  LY01 w0.25: J201.L2 58.06,60.81 61.56,60.81 R218.2
Net-(J201-PadL3): length 3.7
  LY01 w0.25: R219.2 43.14,59.41 43.19,59.46 J201.L3
Net-(U4-FB): length 5.6
  LY01 w0.2: R25.2 23.73,43.1 ; 22.73,37.85 R26.1 23.73,40.78
Net-(U4-NR/SS): length 3
  LY01 w0.2: U4.8 23.25,42.3 C9.2
Net-(U4-S-CONF): length 3.4
  LY01 w0.2: R22.1 24.25,41.37 U4.10 ; R21.2 24.77,40.85
Net-(U4-SW): length 3.3
  LY01 w0.2: 27.16,44.3 23.83,44.3
Net-(U4-VO): length 3.8
  LY01 w0.2: U4.3 24.38,46.05 23.58,46.85 C10.2
Net-(U202-MOD[0]): length 3.4
  LY01 w0.25: R105.1 49.8,30.04 U202.25
Net-(U202-MOD[1]): length 3.1
  LY01 w0.25: U202.26 51.49,29.64 50.95,29.1 49.87,29.1 R104.1
Net-(U202-MOD[2]): length 2.8
  LY01 w0.25: R102.1 51.27,28.47 ; 51.27,28.53 51.99,29.25 U202.27
Net-(U202-MOD[3]): length 1.7
  LY01 w0.25: R103.1 52.28,28.97 52.49,29.18 U202.28
Net-(U202-RSET_BG): length 2.5
  LY01 w0.2: U202.9 52.49,38.05 52.42,38.12 R208.2

## Copper pours and planes (outline as drawn; the poured copper is in the pictures)
+3V3 on LY01: 22.71,55.62 22.7,58.72 22.73,61.62 29.5,61.62 29.5,55.6 22.71,55.6
+3V3 on LY03: 81.32,15.85 81.32,67.16 81.2,67.29 10.2,67.29 5.25,62.34 5.25,29.32 6.14,28.43 6.14,17 7.54,15.6 81.07,15.6
GNDD on LY01: 15.48,44.55 23.48,44.55 23.48,45.9 22.53,45.9 22.53,61.7 15.54,61.7
GNDD on LY01: 29.63,43 25.63,43 22.13,41.4 22.13,40.3 21.23,40.3 21.23,36.1 29.63,36.1
GNDD on LY02: 81.32,15.85 81.32,67.16 81.2,67.29 10.2,67.29 5.25,62.34 5.25,29.32 6.14,28.43 6.14,17 7.54,15.6 81.07,15.6
GNDD on LY03: 46.93,48.46 49.89,51.42 57.55,51.42 59.1,49.87 59.1,39.69 57.86,39.69 56.39,38.22 56.39,34.11 50.77,34.11 50.12,34.76 50.12,42.49 46.93,45.68
+VDC on LY01, LY03: 12.05,44.05 11.98,47.98 15.54,47.98 15.54,44.05 25.74,44.05 25.74,43.03 24.56,43.03 24.56,43.5 22.38,43.5 21.73,42.12 21.53,41.7 18.9,41.7 18.9,34.23 14.23,34.26 14.23,41.75 12.05,41.75
Net-(U4-VO) on LY01: 22.71,46.4 22.71,55.4 25.56,55.45 29.41,52.05 29.46,46.4

## Text on the board
SST: +VDC | +3v3 | GNDD | SCL | SDA
Drill.Drawing: x | Copper Layer Count: | Board overall dimensions: | Min track/spacing: | Copper Finish: | Castellated pads: | Edge card connectors: | 4 | 105.9634 mm x 79.9639 mm | 0.1524 mm / 0.1524 mm | HAL SnPb | No | Board Thickness: | Min hole diameter: | Impedance Control: | Plated Board Edge: | 1.5608 mm | 0.3000 mm | Yes | ALL TRACES 6 MIL TRACE/6 MIL SPACE ON LAYER 4 / CONTROLLED TO 100 OHMS ±10% DIFFERENTIAL, NOMINAL 50 OHM SINGLE ENDED / REFERENCE PLANE: LAYER 3 GROUND / FABRICATOR MAY ADJUST TRACE WIDTH AND DIFFERENTIAL-PAIR / SPACING AS REQUIRED TO ACHIEVE THE SPECIFIED IMPEDANCE / USING THE FINAL APPROVED LAYER STACKUP. | BOARD CHARACTERISTICS | SILKSCREEN (TOP SIDE) | SOLDER MASK (TOP SIDE) | SILKSCREEN (BOTTOM SIDE) | SOLDER MASK (BOTTOM SIDE) | 1 oz COPPER | PREPREG MATERIAL | CORE MATERIAL | 6 mil | 4 LAYER DETAIL / ( DIELECTRIC CONSTANT = 4.3 ) | DRC'S MUST BE RUN ON THE GERBERS PRIOR TO BUILDING BOARDS / 1.) BOARD MATERIAL: (SEE STACKUP BELOW) / □ RF35		□ RO4003 / □ FR-4		□ RO4350 / □ 4000-13EP / 2.) BOARD STACKUP / □ COMPONENTS ON TOP SIDE ONLY	□ COMPONENTS ON BOTH SIDES / ____	LAYERS / FINISHED OVERALL THICKNESS: / □ .031 +/- .005 / □ .062 +/- .005 / □ .093 +/- .005 / □ .125 +/- .005 / 3.) COPPER WEIGHT: / EXTERNAL LAYERS: (SEE STACKUP BELOW) OUNCE FINISHED / INTERNAL LAYERS: (SEE STACKUP BELOW) OUNCE FINISHED / 4.) PLATING: / □ HOT AIR SOLDER LEVEL (HASL) EXPOSED AREAS WITH LEADED SOLDER / FINISH 50uIN MIN - 200uIN MAX. / □ FINISH: AS PER IPC ENIG. SPECIFICATION 4522, 2-4 MICRO-INCHES / IMMERSION GOLD OVER 120-240 MICRO-INCHES NICKEL / □ OMIKRON WHITE TIN DEPOSITION PROCESS OR ANDREW APPROVED EQUIVALENT / TIN PLATING SHALL BE 200 TO 250 MICRO INCHES IN THICKNESS. / □ STANDARD SPEC. / 5.) DRILLING: / UNLESS OTHERWISE SPECIFIED, PLATE ALL HOLES THRU. / SEE HOLE CHART FOR FINISHED HOLE SIZES AND QUANTITY. / 6.) HOLE SIZE TOLERANCES SHALL BE: / (SEE HOLE CHART) / 7.) SOLDERMASK: / □ TOP SIDE / □ BOTTOM SIDE / □ LIQUID PHOTO-IMAGEABLE SOLDERMASK SHALL BE APPLIED / OVER BARE COPPER UNLESS OTHERWISE SPECIFIED / □ GREEN / □ BLUE / □ RED / □ BLACK / □ MATTE BLACK / 8.) SILKSCREEN: / □ TOP SIDE / □ BOTTOM SIDE / □ CHARACTER LEGEND TO BE SCREENED USING NON-CONDUCTIVE / EPOXY BASED INK. / □ WHITE / □ ________________ / 9.) BOW AND TWIST: MAXIMUM ACCEPTABLE IS 0.75% (IPC-TM-650) / 10.) FABRICATE IN ACCORDANCE WITH IPC-6011/6012, CLASS 2 (LATEST REVISIONS) / 11.) ACCEPTABILITY TO IPC-A-600 (LATEST REVISIONS) / 12.) CONDUCTOR INFORMATION: / DRC MUST BE RUN ON GERBERS BEFORE BUILDING BOARDS UNLESS / APPROVAL IS GIVEN IN WRITING. / SMALLEST TRACE:    _______ / SMALLEST SPACING: _______ / CONDUCTOR WIDTHS AND SPACING SHALL BE WITHIN +/-20% OF ARTWORK ORIGINALS. / 13.) REMOVE ALL BURRS AND BREAK SHARP EDGES 0.015 INCHES MAX / 14.) VENDOR INFORMATION: / VENDOR WILL PUT THEIR UL LOGO AND DATE CODE IN SILKSCREEN / ON THE COMPONENT SIDE IN THE UNOBSTRUCTED AREA / 15.) VIA PLUGGING/FILLING: / ALL VIAS WITH 0.2mm DRILL, 0.3mm DRILL,AND 8 MIL DRILL / SHALL BE FILLED WITH RESIN, CAPPED, / AND PLATED OVER UNLESS OTHERWISE SPECIFIED / 16.) IMPEDANCE CONTROLS: / AS SPECIFIED | FABRICATION NOTES: | IMPEDANCE CONTROL REQUIREMENTS
